# Allegro board RK_EVB7_RK3588_LP4XD200P232SD8_V11_20230111YWQ.brd (continued)
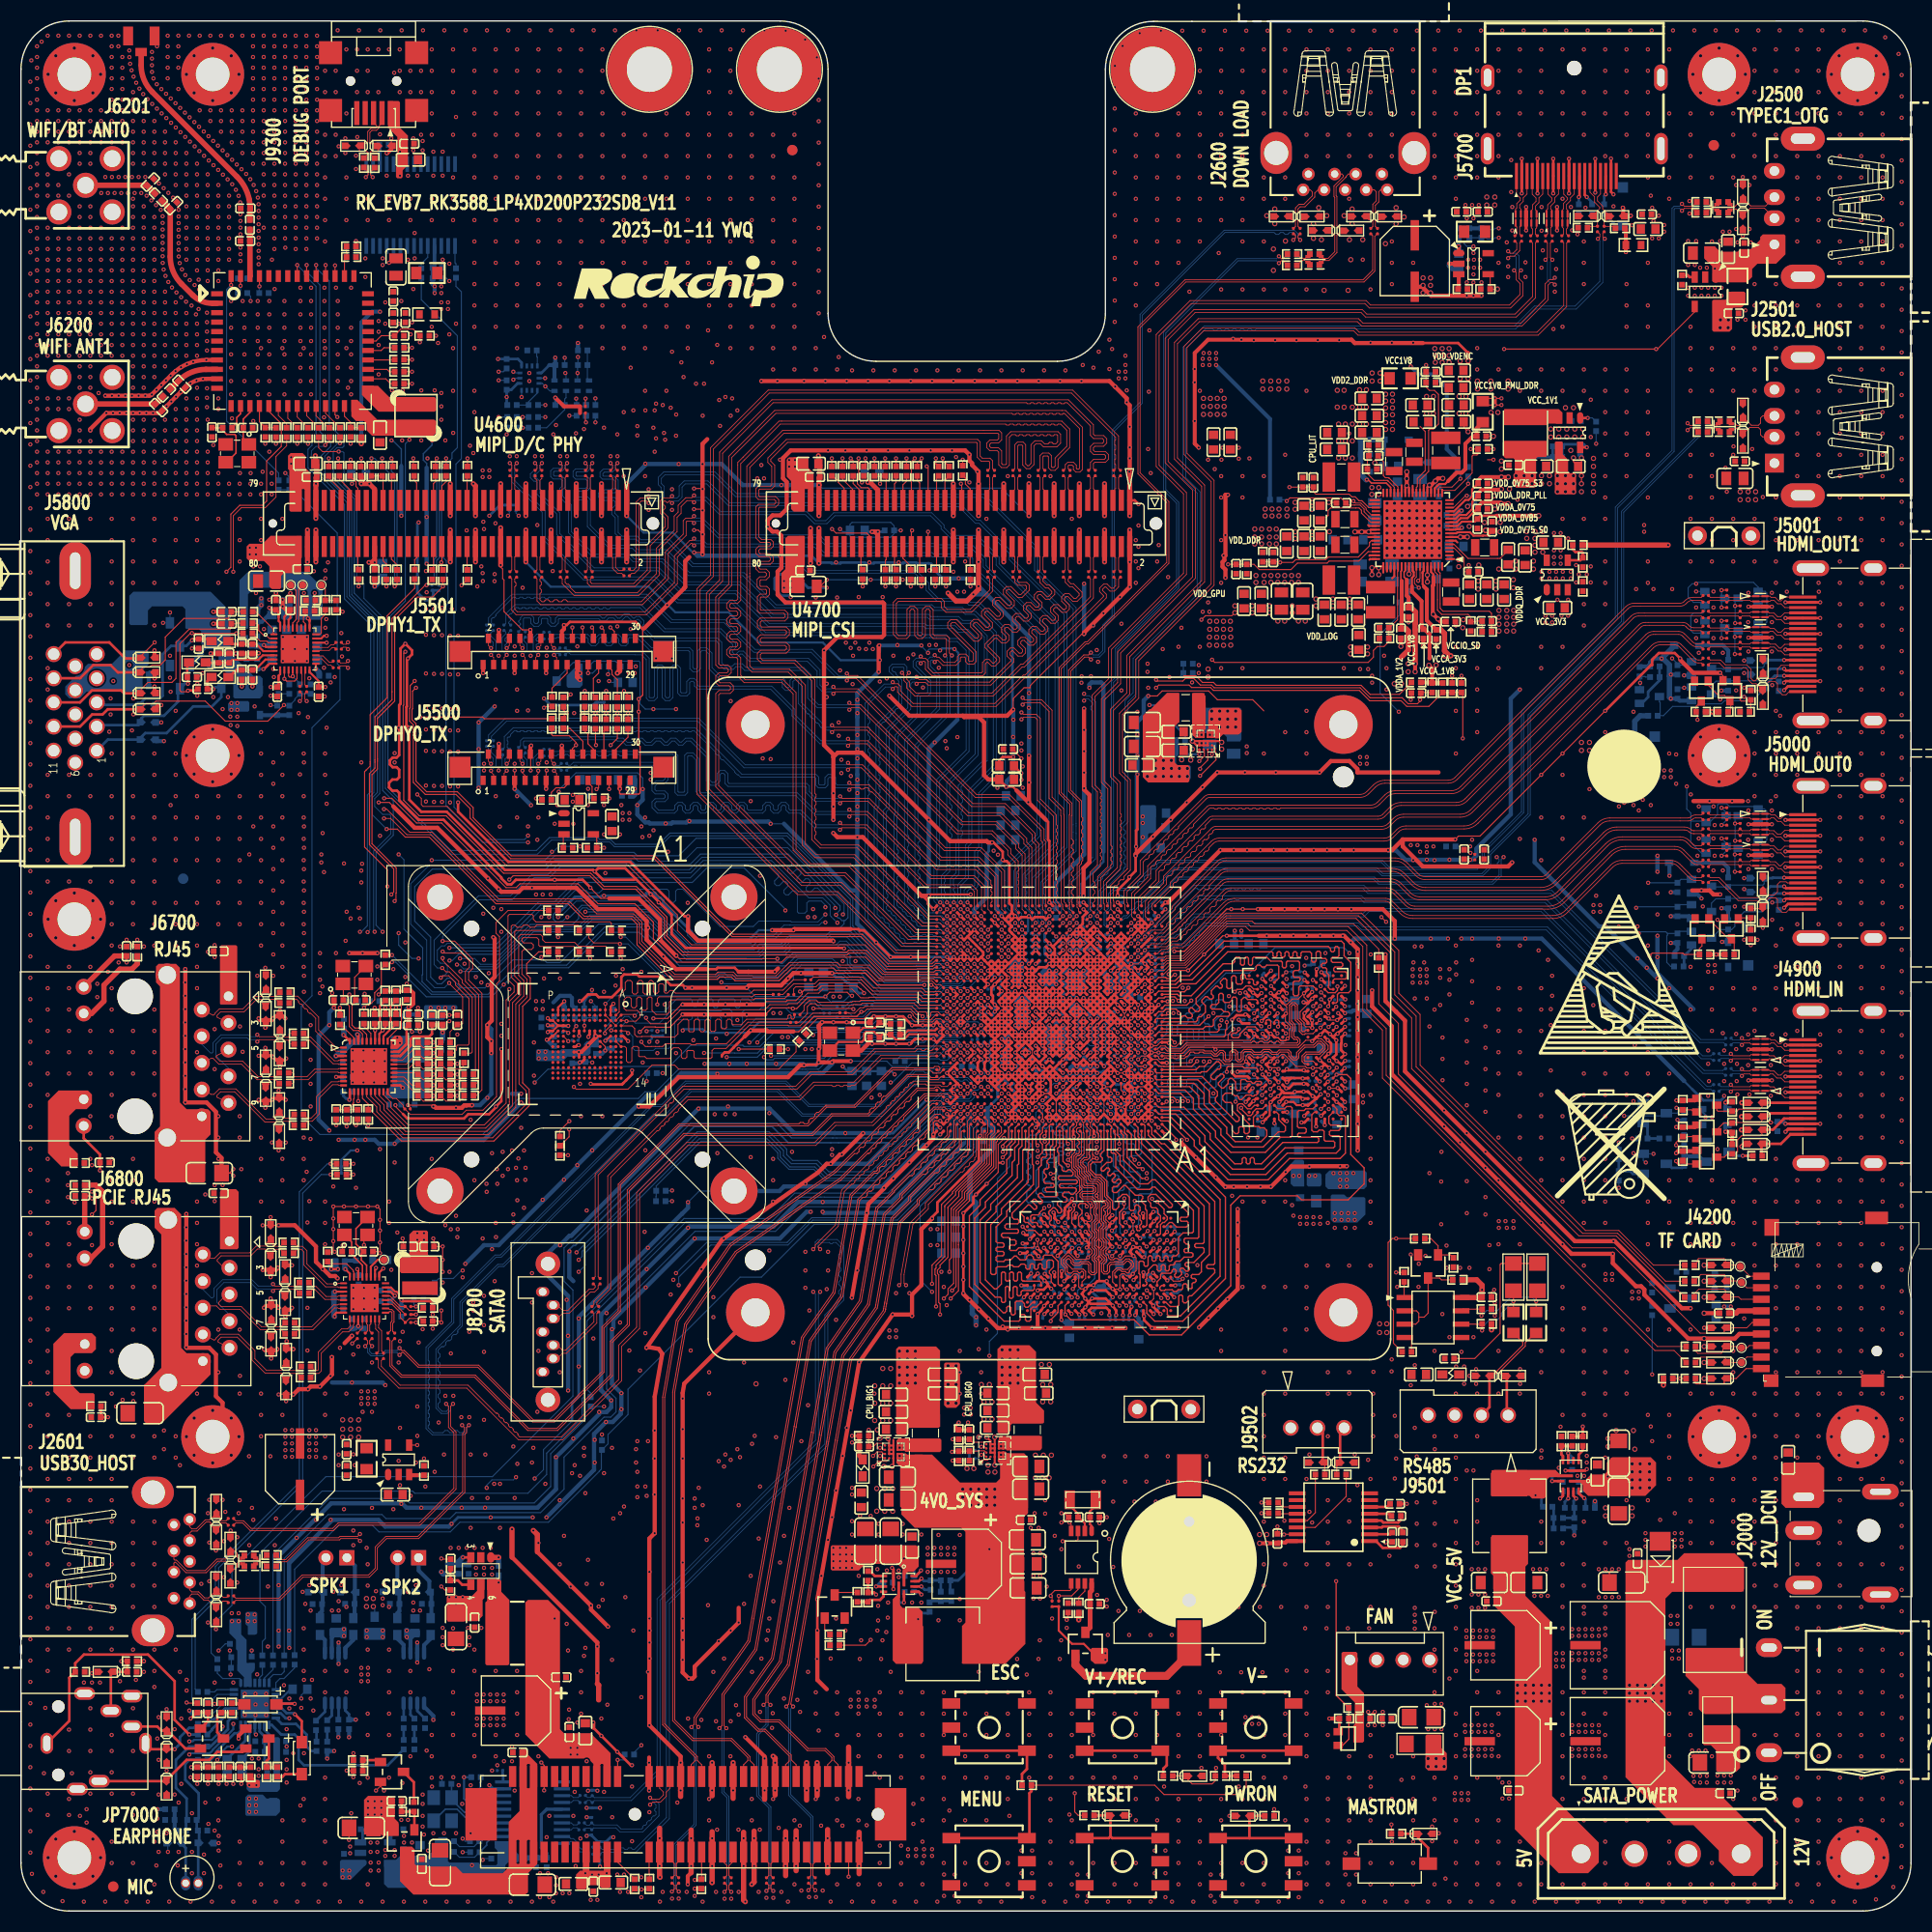
[diagram p0: board, top side]
## Copper pours and planes (outline as drawn; the poured copper is in the pictures) (continued)
VCC_2V0_PLDO_S3 on TOP: 121.44,132.88 124.36,132.88 124.87,133.39 125.5,133.39 125.63,133.26 125.63,131.74 120.17,131.74 119.66,132.25 118.39,132.25 118.01,132.63 118.01,133.64 118.26,133.9 120.68,133.9 120.93,133.64 120.93,133.39
VCC_2V0_PLDO_S3 on L6-S2: 125.06,126.34 122.33,129.07 119.28,129.07 118.14,130.22 118.14,133.9 118.26,134.03 121.06,134.03 122.2,132.88 124.99,132.88 129.18,128.69 129.82,128.69 129.95,128.56 132.23,128.56 132.49,128.31 132.49,126.79 132.04,126.34
VCC_3V3_S0 on BOTTOM (solid shape): 30.25,61.38 30.38,61.25 30.38,61 30.25,60.87 29.36,60.87 29.24,61 29.24,62.02 29.36,62.14 30.25,62.14
VCC_3V3_S0 on BOTTOM (solid shape): 41.55,86.15 41.55,85.89 41.43,85.77 40.67,85.77 40.41,85.51 40.41,85 40.28,84.88 38.51,84.88 38.38,85 38.38,86.15 38.51,86.27 41.43,86.27
VCC_3V3_S0 on TOP: 146.08,124.63 145.69,125.01 145.69,126.28 145.57,126.41 145.06,126.41 144.93,126.28 144.93,125.14 144.42,124.63 144.42,122.72 144.68,122.47 145.95,122.47 146.08,122.6
VCC_3V3_S0 on TOP: 117.63,36.11 117.63,34.84 117.75,34.71 122.07,34.71 122.45,35.09 122.45,35.47 120.17,35.47 120.04,35.35 119.02,35.35 119.02,35.98 118.77,36.24 117.75,36.24
VCC_3V3_S0 on BOTTOM: 159.66,76.75 161.32,76.75 161.44,76.62 161.44,75.48 161.32,75.35 159.66,75.35 159.54,75.48 159.54,76.62
VCC_3V3_S0 on L3-POWER1: 118.45,36.43 119.66,35.22 119.66,17.57 119.28,17.19 112.42,17.19 111.4,18.2 111.4,44.74 121.56,54.9 125.63,54.9 127.28,56.56 130.2,56.56 130.64,56.11 130.64,54.9 127.41,51.67 127.41,51.6 127.15,51.35 127.15,44.24 123.02,40.11 117.06,40.11 116.74,39.79 116.74,36.74 117.06,36.43
VCC_3V3_S0 on L3-POWER1: 91.66,90.02 91.59,90.08 91.59,97.32 89.69,99.23 89.69,101.13 83.85,106.97 83.85,120.06 85.12,121.33 87.02,121.33 88.04,120.31 88.04,117.52 87.53,117.01 87.53,106.21 91.34,102.4 91.34,100.88 93.24,98.97 93.24,89.58 92.99,89.32 92.99,88.81 92.86,88.69 92.48,88.69 92.1,89.07 91.78,89.07 91.66,89.19
VCC_3V3_S0 on L3-POWER1: 28.47,61.64 30.51,61.64 30.76,61.38 30.76,60.75 30,59.98 30,59.73 29.87,59.6 29.87,56.81 31.14,55.54 31.14,50.08 31.39,49.82 31.39,44.62 32.03,43.98 32.03,32.81 31.39,32.17 31.39,27.09 33.43,25.06 33.43,21.76 32.92,21.25 26.31,21.25 25.04,22.52 25.04,28.11 25.81,28.87 25.81,40.93 24.41,42.33 24.41,46.4 28.09,50.08 28.09,61.25
VCC_3V3_S0 on L3-POWER1: 157.51,80.05 157.51,77.26 157.38,77.13 157.38,72.05 157.82,71.61 157.82,69.45 153.19,64.81 153.19,58.08 153.57,57.7 158.27,57.7 159.41,58.84 159.41,63.03 162.08,65.7 162.08,73.19 161.44,73.83 161.44,86.4 160.05,87.8 160.05,96.81 159.28,97.58 159.28,106.97 158.9,107.36 158.9,119.04 158.27,119.67 156.11,119.67 155.47,119.04 155.47,118.91 154.46,117.9 154.46,106.47 155.09,105.83 155.09,95.42 154.71,95.04 154.71,82.84
VCC_3V3_S0 on L4-GND2: 21.81,59.67 21.23,60.24 21.23,112.82 22.63,114.21 22.63,125.26 26.06,125.26 26.7,125.9 26.7,132.12 32.66,138.09 32.66,140.38 36.22,143.93 36.22,148.5 37.62,149.9 39.78,149.9 40.28,149.39 40.28,148.38 39.14,147.23 39.14,140.88 28.85,130.6 28.85,118.53 35.97,111.42 35.97,91.99 37.36,90.59 40.28,90.59 41.68,89.19 41.68,84.24 38.63,81.19 33.43,81.19 31.27,79.03 31.27,60.37 30.57,59.67
VCC_3V3_S0 on L6-S2: 31.78,23.66 31.78,20.61 33.05,19.34 51.59,19.34 51.84,19.6 52.86,19.6 53.11,19.34 59.21,19.34 60.99,17.57 70.64,17.57 72.67,15.53 79.53,15.53 79.91,15.15 118.14,15.15 118.52,15.53 118.52,18.84 118.26,19.09 98.2,19.09 95.02,22.27 54.51,22.27 52.86,23.92 32.03,23.92
VCC_3V3_S0 on L6-S2: 92.48,89.19 92.86,89.19 93.24,88.81 93.24,86.78 92.48,86.02 91.85,86.02 91.72,86.15 91.72,86.78 92.23,87.29 92.23,88.94
VCC_3V3_S0 on L6-S2: 87.53,119.8 107.85,119.8 108.93,118.72 110.13,118.72 110.58,118.28 112.61,118.28 113.06,118.72 122.39,118.72 122.96,119.29 138.96,119.29 143.54,114.72 154.84,114.72 154.9,114.66 156.68,114.66 157.44,115.42 157.44,121.52 155.09,123.87 143.15,123.87 142.39,123.1 142.39,122.09 141.76,121.45 118.77,121.45 117.75,122.47 115.72,122.47 115.34,122.85 87.53,122.85 86.13,121.45 86.13,120.31 86.26,120.18 87.15,120.18
VCC_3V3_S0 on L6-S2: 153.44,54.78 128.93,54.78 127.66,56.05 127.66,57.32 130.26,59.92 154.27,59.92 154.46,59.73 154.46,55.79
VCC_3V3_S3 on TOP (solid shape): 103.53,24.93 103.53,23.79 103.28,23.54 102.26,23.54 101.88,23.92 101.88,24.93 102.01,25.06 103.4,25.06
VCC_3V3_S3 on BOTTOM (solid shape): 55.04,83.35 55.04,82.26 54.31,82.26 54.26,82.21 54.26,81.7 54.04,81.49 53.31,81.49 53.18,81.36 52.04,81.36 51.62,80.94 49.17,80.94 49.05,81.07 49.05,81.96 49.17,82.08 50.19,82.08 50.32,81.95 51.33,81.95 51.46,82.08 53.37,82.08 53.62,82.34 53.62,82.59 53.88,82.85 54.26,82.85 54.44,83.03 54.44,83.39 54.57,83.52 54.87,83.52
VCC_3V3_S3 on TOP: 54,104.18 54.38,103.8 56.79,103.8 56.92,103.67 57.94,103.67 58.19,103.93 58.19,104.69 57.94,104.94 54.13,104.94 54,104.82
VCC_3V3_S3 on TOP: 139.98,129.07 139.85,129.2 139.85,130.72 141.88,130.72 142.9,131.74 145.19,131.74 145.44,131.49 145.44,129.45 145.63,129.26 145.63,128.12 145.57,128.06 145.06,128.06 144.81,128.31 144.81,128.56 144.3,129.07
VCC_3V3_S3 on TOP: 39.14,156.63 39.14,155.11 38.89,154.85 38.89,153.96 39.01,153.84 40.28,153.84 40.41,153.96 40.41,156.38 40.16,156.63
VCC_3V3_S3 on BOTTOM: 158.01,61.13 158.01,60.37 157.63,59.98 157.63,58.84 156.36,58.84 156.24,58.97 156.24,59.22 155.98,59.48 150.65,59.48 150.52,59.6 150.52,61.06 150.65,61.19 155.03,61.19 155.09,61.25 157.89,61.25
VCC_3V3_S3 on L3-POWER1: 146.33,22.01 152.04,22.01 153.82,23.79 153.82,55.79 152.17,57.44 152.17,76.11 152.43,76.37 152.43,105.7 153.19,106.47 153.19,118.15 155.47,120.44 155.47,132.12 154.97,132.63 153.95,132.63 153.57,132.25 153.57,130.09 151.79,128.31 151.79,128.06 150.52,126.79 150.52,96.31 150.77,96.05 150.77,78.02 150.14,77.38 150.14,55.54 151.41,54.27 151.41,30.14 145.69,24.42 145.69,22.65
VCC_3V3_S3 on L3-POWER1: 74.83,83.73 81.81,83.73 82.45,83.1 85.62,83.1 86.13,82.59 91.59,82.59 91.72,82.46 91.72,81.45 91.47,81.19 79.78,81.19 79.65,81.32 74.7,81.32 74.49,81.54 74.49,83.39 ; 1 cut-out
VCC_3V3_S3 on L3-POWER1: 106.32,143.8 102.01,139.49 82.07,139.49 81.94,139.36 81.94,130.85 81.69,130.6 75.21,130.6 74.38,131.42 74.38,139.42 66.19,147.61 66.19,151.04 63.4,153.84 39.14,153.84 38.89,154.09 38.89,159.43 41.3,161.84 63.91,161.84 74.96,150.79 74.96,148.76 78.77,144.95 102.13,144.95 104.67,147.49 105.44,147.49 106.32,146.6
VCC_3V3_S3 on L4-GND2: 48.67,98.85 43.97,103.55 43.97,115.86 32.79,127.04 32.79,128.56 34.7,130.47 42.95,130.47 46.89,134.41 46.89,147.61 45.87,148.63 41.3,148.63 39.01,150.92 39.01,154.98 42.32,158.28 56.03,158.28 59.08,155.23 59.08,130.47 51.21,122.6 51.21,106.09 51.46,105.83 57.18,105.83 58.32,104.69 58.32,102.66 56.54,100.88 56.54,81.83 55.27,80.56 49.05,80.56 48.67,80.94
VCC_3V3_S3 on L6-S2: 103.53,22.52 146.96,22.52 147.22,22.77 147.22,25.69 145.44,27.47 136.17,27.47 135.15,26.46 104.67,26.46 102.9,24.68 102.9,23.15
VCC_3V3_S3 on L6-S2: 104.29,146.73 104.29,145.84 104.93,145.2 109.37,145.2 110.52,146.34 145.82,146.34 148.36,143.8 148.36,143.68 150.39,141.65 150.39,135.17 148.62,133.39 146.2,133.39 144.55,131.74 143.28,131.74 143.15,131.61 143.15,129.45 143.66,128.95 144.55,128.95 145.44,128.06 147.22,128.06 148.11,128.95 154.33,128.95 155.09,129.71 155.09,149.39 153.19,151.3 108.86,151.3
VCC_3V3_S3 on L6-S2: 48.79,81.96 48.79,80.56 50.06,79.29 72.8,79.29 74.45,80.94 74.96,80.94 75.59,81.57 75.59,82.46 73.94,82.46 72.67,81.19 66.57,81.19 66.07,81.7 63.4,81.7 63.02,81.32 61.49,81.32 61.11,81.7 57.18,81.7 56.03,80.56 51.46,80.56 49.81,82.21 49.05,82.21
VCC_5V0 on TOP (solid shape): 143.54,35.73 143.54,33.06 143.28,32.81 143.28,30.01 145.82,27.47 145.82,10.96 150.27,6.52 150.27,4.61 149.25,3.6 146.46,3.6 142.27,7.79 142.27,27.09 140.23,29.12 140.23,31.92 139.98,32.17 139.98,35.6 140.16,35.79 143.48,35.79
VCC_5V0 on TOP (solid shape): 164.24,154.09 164.24,153.08 163.86,152.69 163.09,152.69 162.97,152.57 162.97,150.66 162.71,150.41 161.19,150.41 161.06,150.54 161.06,153.33 161.19,153.46 162.33,153.46 162.46,153.58 162.46,154.09 162.59,154.22 164.11,154.22
VCC_5V0 on TOP (solid shape): 27.08,138.6 27.08,137.45 27.58,136.95 27.58,133.39 27.46,133.26 27.08,133.26 27.03,133.31 27.03,135.34 26.95,135.42 26.78,135.42 26.73,135.37 26.73,133.3 26.7,133.26 25.68,133.26 25.55,133.39 25.55,137.2 25.43,137.33 25.43,138.6 25.68,138.85 26.82,138.85
VCC_5V0 on TOP (solid shape): 74.99,138.34 74.99,137.45 75.5,136.95 75.5,133.39 75.37,133.26 74.96,133.26 74.94,133.28 74.94,135.42 74.64,135.42 74.64,133.33 74.57,133.26 73.59,133.26 73.34,133.52 73.34,136.18 72.92,136.6 72.92,138.22 73.16,138.45 73.57,138.45 73.59,138.47 74.86,138.47
VCC_5V0 on BOTTOM (solid shape): 21.74,115.1 21.74,114.34 21.62,114.21 19.84,114.21 19.71,114.34 19.71,114.98 19.96,115.23 21.62,115.23
VCC_5V0 on BOTTOM (solid shape): 58.7,107.86 58.7,106.21 58.45,105.96 57.81,105.96 57.81,106.55 57.77,106.59 57.68,106.59 57.56,106.72 57.56,107.1 57.68,107.23 57.68,107.86 57.81,107.99 58.57,107.99
VCC_5V0 on TOP: 139.34,161.46 139.34,163.36 139.47,163.49 140.49,163.49 140.61,163.36 140.61,161.08 140.3,160.76 140.3,157.58 140.23,157.52 139.22,157.52 138.84,157.9 138.84,160.95
VCC_5V0 on TOP: 57.3,110.68 58.7,110.68 58.77,110.61 58.77,106.81 58.57,106.62 57.81,106.62 57.79,106.59 57.68,106.59 57.56,106.72 57.56,107.1 57.68,107.23 57.68,108.52 57.25,108.96 57.25,110.63
VCC_5V0 on TOP: 129.18,17.57 129.18,19.09 129.06,19.22 128.17,19.22 128.04,19.09 128.04,18.96 128.17,18.84 128.17,17.95 128.04,17.82 128.04,17.57 128.17,17.44 129.06,17.44
VCC_5V0 on TOP: 34.44,43.73 35.2,43.73 35.46,43.98 35.46,46.52 34.95,47.03 30.51,47.03 30.38,46.9 30.38,44.36 30.63,44.11 31.9,44.11 32.16,43.86 32.16,43.6 32.28,43.47 34.19,43.47
VCC_5V0 on TOP: 57.3,121.71 58.7,121.71 58.77,121.64 58.77,117.84 58.57,117.64 57.81,117.64 57.68,117.77 57.68,119.55 57.25,119.98 57.25,121.65
VCC_5V0 on BOTTOM: 32.66,29.89 32.66,27.73 32.92,27.47 34.06,27.47 34.19,27.6 34.19,28.49 33.81,28.87 33.81,29.89 33.68,30.01 32.79,30.01
VCC_5V0 on BOTTOM: 153.31,109.64 153.31,107.99 153.7,107.61 157.25,107.61 157.51,107.86 157.51,108.75 157.38,108.88 154.58,108.88 154.08,109.39 154.08,109.64 153.95,109.77 153.44,109.77
VCC_5V0 on BOTTOM: 58.83,118.53 58.83,116.75 58.57,116.5 57.81,116.5 57.68,116.63 57.68,118.79 58.57,118.79
VCC_5V0 on BOTTOM: 160.43,90.21 160.55,90.34 163.22,90.34 163.47,90.59 165.13,90.59 165.38,90.34 165.38,89.32 165.25,89.19 160.55,89.19 160.43,89.32
VCC_5V0 on L4-GND2: 121.56,20.74 49.81,20.74 44.86,25.69 44.86,28.36 42.32,30.9 40.03,30.9 36.35,27.22 27.71,27.22 26.82,28.11 26.82,43.86 30.38,47.41 44.6,47.41 45.11,46.9 51.21,46.9 56.92,52.62 56.92,100.75 58.7,102.53 58.7,104.56 57.3,105.96 55.65,105.96 55.02,106.59 55.02,126.02 59.33,130.34 59.33,155.62 56.29,158.66 42.32,158.66 38.25,154.6 38.25,151.04 35.97,148.76 35.97,144.31 32.41,140.76 32.41,138.09 26.44,132.12 26.44,126.02 25.68,125.26 22.5,125.26 22.5,114.47 22.12,114.09 19.71,114.09 19.2,114.59 19.2,126.28 19.39,126.47 19.39,127.61 20.09,128.31 21.23,128.31 22.89,129.96 22.89,131.99 22.5,132.37 22.5,137.33 27.27,142.09 27.27,155.93 37.49,166.16 65.56,166.16 74.19,157.52 74.19,132.5 63.65,121.96 63.65,100.18 63.53,100.05 63.53,32.3 65.56,30.27 106.71,30.27 116.48,40.05 130.71,40.05 151.54,60.87 151.54,106.59 156.24,111.29 156.24,111.42 158.01,113.2 158.01,158.54 154.84,161.71 139.98,161.71 139.34,162.35 139.34,164.12 141.5,166.28 160.43,166.28 166.46,160.25 166.46,146.22 165.76,145.52 165.76,143.93 166.27,143.42 166.27,108.12 164.36,106.21 160.17,106.21 158.78,104.82 158.78,98.08 161.7,95.16 161.7,48.94 155.85,43.09 151.54,43.09 150.39,41.95 150.39,23.15 145.57,18.33 129.95,18.33 129.06,17.44 124.87,17.44 ; 1 cut-out
VCCA1V8_CODEC on BOTTOM (solid shape): 20.98,27.73 20.98,26.33 21.49,25.82 21.49,23.66 21.53,23.63 21.66,23.62 22.25,23.62 22.25,22.9 21.97,22.62 21.97,21.38 21.23,21.38 21.23,22.27 20.6,22.9 20.6,24.81 20.47,24.93 20.47,25.82 19.84,26.46 19.84,27.73 19.96,27.85 20.85,27.85
VCCA3V3_CODEC on TOP (solid shape): 22.12,12.74 22.38,12.49 22.63,12.49 22.76,12.36 22.76,11.85 22.63,11.72 21.74,11.72 21.49,11.98 21.49,13.12 22.12,13.12
VCCA3V3_CODEC on BOTTOM (solid shape): 24.66,16.42 24.66,11.6 24.41,11.34 21.74,11.34 21.49,11.6 21.49,12.11 21.87,12.49 23.14,12.49 23.27,12.61 23.9,12.61 24.03,12.74 24.03,16.42 24.16,16.55 24.54,16.55
VCCA_1V8_S0 on BOTTOM (solid shape): 102.96,91.8 102.96,91.54 102.89,91.47 102.85,91.48 102.81,91.48 102.76,91.48 102.71,91.47 102.25,91.47 102.14,91.48 102.03,91.45 102.02,91.45 101.99,91.43 101.95,91.39 101.92,91.35 101.75,91.35 101.72,91.39 101.66,91.45 101.62,91.45 101.43,91.46 101.27,91.35 101.1,91.35 100.86,91.47 100.62,91.35 100.47,91.35 100.23,91.47 99.99,91.35 99.77,91.35 99.72,91.4 99.72,91.55 99.75,91.6 99.76,91.65 99.87,91.76 101.5,91.76 101.55,91.8 101.82,91.8 101.87,91.8 101.91,91.8 102.33,91.8 102.37,91.85 102.51,91.83 102.64,91.86 102.9,91.86
VCCA_1V8_S0 on TOP: 134.52,119.8 134.77,119.55 134.77,119.04 135.03,118.79 135.03,118.4 135.79,117.64 135.79,116.75 135.66,116.63 133.12,116.63 132.99,116.75 132.99,117.39 133.76,118.15 133.76,119.67 133.88,119.8
VCCA_1V8_S0 on BOTTOM: 135.53,118.91 135.92,118.53 135.92,117.01 136.04,116.88 136.04,100.88 135.79,100.62 133.12,100.62 132.99,100.75 132.99,101.01 133.12,101.13 133.25,101.13 133.76,101.64 133.76,118.79 133.88,118.91
VCCA_1V8_S0 on L3-POWER1: 92.67,78.08 92.23,78.53 92.23,79.16 92.1,79.29 92.1,79.67 91.85,79.92 91.85,81.83 91.97,81.96 92.23,81.96 92.48,82.21 94.13,82.21 94.13,80.3 94.01,80.18 94.01,79.03 94.26,78.78 94.26,78.4 93.94,78.08
VCCA_1V8_S0 on L6-S2: 98.7,80.81 99.59,81.7 100.23,81.7 101.12,82.59 101.24,82.59 101.24,86.15 100.99,86.4 97.94,86.4 97.56,86.02 97.56,85.64 98.2,85 98.2,84.11 96.67,82.59 94.64,82.59 93.37,81.32 91.85,81.32 91.85,84.11 91.59,84.37 91.59,85.89 92.86,87.16 93.24,87.16 93.5,87.42 93.5,89.58 95.91,91.99 97.82,91.99 98.45,92.62 98.45,97.2 103.66,102.4 114.45,102.4 114.52,102.34 128.36,102.34 129.69,101.01 132.99,101.01 133.76,101.77 134.65,101.77 134.9,101.51 134.9,99.99 134.01,99.1 127.79,99.1 127.28,99.61 105.94,99.61 102.13,95.8 102.13,92.24 101.88,91.99 101.88,91.35 101.75,91.23 101.75,87.29 102.51,86.53 102.77,86.53 102.77,86.15 103.02,85.89 103.02,82.84 102.39,82.21 102.39,81.32 101.5,80.43 100.74,80.43 99.85,79.54 98.96,79.54 98.7,79.8
VCCA_3V3_S0 on BOTTOM (solid shape): 23.39,10.71 24.54,10.71 24.66,10.58 24.66,9.44 24.28,9.06 21.49,9.06 21.36,9.18 21.36,10.84 21.62,11.09 23.01,11.09
VCCA_3V3_S0 on L3-POWER1: 147.73,49.19 147.6,49.06 147.6,39.92 147.73,39.79 147.73,38.65 147.6,38.52 147.6,31.03 140.74,24.17 140.74,23.66 140.36,23.28 139.85,23.28 137.31,20.74 137.31,18.84 135.92,17.44 135.92,10.45 136.55,9.82 138.07,9.82 142.14,13.88 142.14,21.5 151.16,30.52 151.16,54.14 150.01,55.29 150.01,77.64 150.65,78.27 150.65,96.05 150.52,96.18 149.12,96.18 147.73,94.78
VCCA_3V3_S0 on L3-POWER1: 101.75,100.88 101.75,108.63 106.58,113.45 109.5,113.45 110.52,114.47 110.64,114.47 112.67,116.5 112.67,118.66 112.93,118.91 113.82,118.91 114.07,118.66 114.07,115.36 111.66,112.94 111.66,112.56 109.31,110.21 105.37,110.21 103.28,108.12 103.28,95.8 103.15,95.67 103.15,92.88 102.77,92.5 102.26,92.5 102.13,92.62 102.13,93 102.64,93.51 102.64,95.29 102.26,95.67 102.26,100.37
VCCA_3V3_S0 on L6-S2: 106.32,89.32 106.07,89.58 106.07,90.34 111.79,96.05 150.65,96.05 150.77,95.93 150.77,94.27 150.39,93.89 112.55,93.89 108.61,89.96 106.96,89.96 106.58,89.58 106.58,89.45 106.45,89.32
VCCA_3V3_S0 on L6-S2: 45.81,8.74 49.94,12.87 53.87,12.87 54.89,11.85 60.1,11.85 63.4,8.55 91.08,8.55 94.26,5.37 125.12,5.37 125.76,6.01 137.57,6.01 138.71,7.15 138.71,11.47 138.2,11.98 133.63,11.98 133.06,11.41 101.82,11.41 100.61,10.2 99.97,10.2 96.93,13.25 67.72,13.25 65.18,15.79 60.1,15.79 58.57,17.31 42.32,17.31 39.01,14.01 22.25,14.01 21.36,13.12 21.36,9.31 21.93,8.74
VCCIO_PHY0 on L6-S2: 32.66,74.34 34.57,74.34 35.71,75.48 41.43,75.48 42.32,76.37 42.32,82.21 40.41,84.11 40.03,84.11 39.9,83.99 39.9,79.54 38.76,78.4 37.49,78.4 36.47,77.38 34.32,77.38 32.54,75.61 32.54,74.46
VCCIO_SD_S0 on L3-POWER1: 123.22,125.14 123.22,118.28 122.07,117.13 121.95,117.13 121.56,116.75 121.56,109.51 114.07,102.02 114.07,99.1 110.77,95.8 110.77,88.43 108.86,86.53 104.55,86.53 103.91,85.89 103.91,84.37 104.04,84.37 104.17,84.24 111.79,84.24 113.18,85.64 113.18,92.62 124.49,103.93 124.49,108.5 127.03,111.04 127.03,118.4 129.57,120.94 133.25,120.94 135.41,123.1 135.41,124.88 134.9,125.39 123.47,125.39
VCCIO_WL on TOP: 32.41,152.44 32.54,152.57 38.25,152.57 38.38,152.44 38.38,151.68 38.25,151.55 37.49,151.55 37.11,151.93 32.54,151.93 32.41,152.06
VDD2_DDR_S3 on BOTTOM (solid shape): 128.17,70.32 128.17,69 127.91,68.75 126.77,68.75 124.49,68.75 124.23,69 124.23,70.14 124.61,70.53 127.96,70.53
VDD2_DDR_S3 on TOP: 129.95,138.47 131.47,138.47 131.6,138.6 131.6,143.93 130.71,144.82 128.93,144.82 128.68,144.57 128.68,140.38 128.93,140.12 128.93,138.34 129.82,138.34
VDD2_DDR_S3 on L4-GND2: 109.69,68.3 113.18,64.81 123.98,64.81 124.23,65.06 124.23,69.51 114.58,79.16 114.58,88.18 120.93,94.53 120.93,95.8 120.68,96.05 120.68,104.05 124.61,107.99 124.61,108.5 125.76,109.64 125.88,109.64 134.65,118.4 134.65,127.93 135.53,128.82 135.53,134.28 135.15,134.66 131.6,134.66 129.31,136.95 129.31,144.69 129.44,144.82 137.95,144.82 138.14,144.63 141.06,144.63 142.07,143.61 142.07,126.22 139.92,124.06 139.92,110.72 131.34,102.15 131.34,62.91 124.74,56.3 98.2,56.3 94.89,59.6 94.89,63.92 99.28,68.3 ; 7 cut-outs
VDD10_PHY0 on BOTTOM (solid shape): 38.89,79.92 38.89,77.64 38.63,77.38 34.82,77.38 34.7,77.51 34.7,78.02 35.33,78.65 35.33,80.05 38.76,80.05
VDD10_PHY0 on L6-S2: 31.27,78.78 31.52,78.53 34.95,78.53 35.46,79.03 36.47,79.03 36.73,78.78 36.73,78.02 36.35,77.64 30.38,77.64 29.36,78.65 29.36,81.45 31.78,83.86 32.41,83.86 32.66,83.61 32.66,82.59 31.27,81.19
VDD10_PHY1 on TOP (solid shape): 38.76,64.68 38.76,62.52 38.89,62.4 39.52,62.4 39.78,62.14 39.78,60.87 39.65,60.75 36.22,60.75 36.09,60.87 36.09,62.14 36.22,62.27 36.6,62.27 36.98,62.65 36.98,64.43 37.36,64.81 38.63,64.81
VDD10_PHY1 on BOTTOM: 36.35,61.51 38.76,63.92 38.76,64.56 38.38,64.94 37.49,64.94 37.05,64.49 37.05,64.11 35.97,63.03 35.2,63.03 34.57,62.4 34.57,61.64 34.7,61.51
VDD10_RTL on BOTTOM: 32.54,60.24 33.81,61.51 33.81,62.4 32.66,62.4 30.63,60.37 30.63,60.11 30.38,59.86 29.62,59.86 29.24,59.48 29.24,56.56 29.49,56.3 29.87,56.3 30,56.43 30,56.56 30.12,56.68 30.12,58.84 30.25,58.97 30.89,58.97 31.27,59.35 31.27,59.98 31.52,60.24
VDD10_RTL on L6-S2: 29.49,59.1 29.49,56.56 29.74,56.3 30.12,56.3 31.52,57.7 35.46,57.7 35.84,58.08 35.84,59.1 35.59,59.35 34.06,59.35 33.93,59.22 29.62,59.22
VDD_0V75_S0 on L3-POWER1: 95.15,84.5 94.77,84.88 94.77,85.26 93.24,86.78 93.24,87.8 93.5,87.8 94.01,88.31 94.01,90.21 94.51,90.72 94.51,92.62 94.01,93.13 94.01,95.04 93.5,95.54 93.5,102.66 89.05,107.1 89.05,117.01 89.81,117.77 89.81,123.61 88.93,124.5 88.93,125.9 89.18,126.15 90.07,126.15 90.32,125.9 90.96,125.9 91.47,125.39 91.47,115.48 91.08,115.1 91.08,107.61 96.29,102.4 96.29,91.99 96.55,91.73 96.93,91.73 97.18,91.48 97.18,85 96.67,84.5
VDD_0V75_S0 on L3-POWER1: 131.98,91.73 132.36,91.35 133.76,91.35 136.04,93.64 136.04,103.04 137.31,104.31 137.31,110.78 137.44,110.91 137.44,119.8 138.84,121.2 138.84,123.74 140.74,125.64 140.74,129.83 141.12,130.22 141.12,131.61 141,131.74 138.84,131.74 138.2,131.1 138.2,128.06 135.79,125.64 135.79,122.98 133.88,121.07 133.88,107.1 131.98,105.2
VDD_0V75_S0 on L6-S2: 90.58,55.03 92.1,53.51 112.67,53.51 115.6,56.43 115.6,65.83 116.87,67.1 128.68,67.1 130.07,68.49 130.07,89.7 131.22,90.85 133.12,90.85 133.76,91.48 133.76,92.12 132.23,93.64 128.42,93.64 127.79,93 127.79,71.41 126.77,70.4 115.47,70.4 113.69,68.62 113.69,58.33 110.52,55.16 96.16,55.16 93.75,57.57 90.83,57.57 90.58,57.32
VDD_0V75_S0 on L6-S2: 107.85,89.83 107.09,89.83 105.44,88.18 105.44,87.29 105.31,87.16 104.8,87.16 104.67,87.29 104.67,88.94 103.78,89.83 103.66,89.7 103.66,89.45 104.04,89.07 104.04,87.29 103.91,87.16 103.15,87.16 102.9,87.42 102.9,91.99 102.64,92.24 102.51,92.24 102.13,91.86 102.13,87.04 102.51,86.65 105.56,86.65 105.82,86.91 105.82,87.67 107.21,89.07 107.59,89.07 107.85,89.32
VDD_0V75_S0 on L6-S2: 140.36,127.8 136.17,123.61 136.04,123.61 135.79,123.36 122.83,123.36 121.44,124.75 119.79,124.75 119.28,125.26 111.66,125.26 109.37,122.98 88.93,122.98 87.91,123.99 87.91,125.77 88.16,126.02 90.2,126.02 90.45,125.77 106.45,125.77 110.26,129.58 118.14,129.58 119.15,128.56 122.33,128.56 124.87,126.02 132.61,126.02 135.53,128.95 135.53,130.09 136.8,131.36 138.2,131.36 138.58,131.74 141.12,131.74 141.12,130.22 140.36,129.45
VDD_0V75_S3 on TOP: 140.49,136.95 141.76,136.95 141.88,136.82 141.88,136.44 141.76,136.31 140.36,136.31 140.23,136.44 140.23,136.69
VDD_0V75_S3 on L3-POWER1: 91.97,82.21 91.85,82.34 91.85,82.59 91.59,82.84 86.13,82.84 85.24,83.73 82.96,83.73 82.32,84.37 74.32,84.37 73.3,85.38 73.3,85.89 72.67,86.53 72.16,86.53 71.91,86.78 71.53,86.78 67.59,90.72 65.56,90.72 63.78,92.5 63.78,114.98 63.65,115.1 63.65,138.47 63.08,139.04 63.08,145.14 63.78,145.84 65.3,145.84 65.81,145.33 65.81,140.25 66.07,139.99 66.07,105.83 70.89,101.01 70.89,93 73.05,90.85 73.43,90.85 76.35,87.92 83.15,87.92 85.05,86.02 85.88,86.02 88.42,83.48 91.85,83.48 92.35,82.97 92.35,82.34 92.23,82.21
VDD_0V75_S3 on L6-S2: 110.77,145.2 109.75,144.19 103.66,144.19 102.51,145.33 70.38,145.33 69.75,145.96 64.03,145.96 63.78,145.71 63.78,145.2 64.41,144.57 67.72,144.57 69.62,142.66 100.99,142.66 103.91,139.74 138.07,139.74 140.36,137.45 140.36,136.31 141,135.68 142.01,135.68 142.39,136.06 143.54,136.06 143.92,136.44 143.92,144.31 143.15,145.07 137.31,145.07 136.87,145.52 121.5,145.52 120.68,144.69 118.14,144.69 117.63,145.2
VDD_CPU_BIG0_S0 on TOP (solid shape): 96.67,53.25 96.67,48.43 97.43,47.67 97.43,46.52 97.35,46.44 94.43,46.44 94.26,46.27 94.26,45.76 94.01,45.51 93.12,45.51 92.99,45.63 92.99,53.51 93.37,53.89 96.04,53.89
VDD_CPU_BIG0_S0 on BOTTOM (solid shape): 98.14,84.42 98.14,84.04 98.32,83.86 98.96,83.86 99.09,83.99 99.09,84.37 99.21,84.5 99.34,84.5 99.58,84.26 99.59,84.22 99.59,83.84 99.56,83.7 99.59,83.57 99.59,83.19 99.56,83.05 99.59,82.92 99.59,82.59 99.41,82.41 99.41,81.65 99.34,81.57 99.21,81.57 99.09,81.7 99.09,81.98 98.85,82.21 98.32,82.21 98.12,82 98.12,81.67 98.07,81.62 97.9,81.62 97.82,81.7 97.82,82.35 97.56,82.6 97.56,82.87 97.62,83.05 97.56,83.24 97.56,83.35 97.43,83.48 97.31,83.48 97.18,83.61 97.18,83.86 97.31,83.99 97.43,83.99 97.56,84.11 97.56,84.17 97.59,84.23 97.61,84.29 97.82,84.5 98.07,84.5
VDD_CPU_BIG0_S0 on TOP: 88.8,46.78 90.45,46.78 90.7,46.52 90.7,45.63 90.58,45.51 88.8,45.51 88.67,45.63 88.67,46.65
VDD_CPU_BIG0_S0 on BOTTOM: 88.04,66.21 88.04,62.27 87.91,62.14 86.77,62.14 86.39,62.52 86.39,65.06 86.64,65.32 87.02,65.32 87.15,65.45 87.15,66.08 87.27,66.21
VDD_CPU_BIG0_S0 on L4-GND2: 89.69,75.1 89.69,77.38 92.1,79.8 94.51,79.8 95.02,80.3 95.02,80.94 95.4,81.32 95.4,83.1 97.05,84.75 99.34,84.75 99.59,84.5 99.59,81.45 98.7,80.56 98.7,77 99.21,76.49 99.21,74.34 98.7,73.83 98.7,71.03 92.86,65.19 92.86,57.32 95.28,54.9 95.28,48.43 93.12,46.27 87.27,46.27 86.39,47.16 86.39,53.51 81.81,58.08 81.81,67.22
VDD_CPU_BIG0_S0 on L5-POWER2: 93.81,79.61 95.28,81.07 95.28,81.7 95.53,81.96 95.53,83.35 95.66,83.48 96.04,83.48 96.8,84.24 96.8,84.62 96.93,84.75 98.32,84.75 98.45,84.62 99.47,84.62 99.59,84.5 99.59,82.08 99.85,81.83 99.85,80.05 99.59,79.8 99.59,79.67 99.47,79.54 97.94,79.54 94.13,75.73 94.13,74.72 91.47,72.05 91.47,56.43 92.99,54.9 94.89,54.9 95.78,54.02 95.78,48.81 93.12,46.14 88.42,46.14 86,48.55 86,53.63 85.24,54.4 82.19,54.4 80.8,55.79 80.8,73.95 86.45,79.61
VDD_CPU_BIG1_MEM_S0 on TOP: 80.67,41.7 80.67,39.54 80.54,39.41 79.15,39.41 78.89,39.66 78.89,41.7 79.02,41.82 80.54,41.82
VDD_CPU_BIG1_MEM_S0 on L3-POWER1: 80.16,51.35 80.16,39.79 79.53,39.16 75.84,39.16 75.46,39.54 75.46,46.78 71.53,50.71 71.53,57.7 70.76,58.46 70.76,64.18 72.1,65.51 72.1,72.37 73.69,73.95 76.73,73.95 77.5,73.19 77.5,71.92 75.72,70.14 75.72,64.56 74.32,63.16 74.32,58.97 76.48,56.81 76.48,55.03
VDD_CPU_BIG1_MEM_S0 on L6-S2: 86.89,79.42 90.83,79.42 90.96,79.54 90.96,80.94 91.08,81.07 93.5,81.07 93.5,81.19 94.64,82.34 95.91,82.34 96.23,82.02 96.23,81.89 96.29,81.83 96.29,80.43 95.53,79.67 95.53,79.29 94.89,78.65 92.35,78.65 91.72,78.02 91.72,76.75 86.89,76.75 81.18,71.03 77.88,71.03 76.99,71.92 76.99,73.19 77.11,73.32 80.8,73.32
VDD_CPU_BIG1_S0 on TOP (solid shape): 87.53,53.38 87.53,46.14 87.4,46.01 84.61,46.01 84.48,45.89 84.48,45.63 84.23,45.38 83.46,45.38 83.34,45.51 83.34,53.51 83.59,53.76 87.15,53.76
VDD_CPU_BIG1_S0 on TOP: 79.15,45.76 80.04,45.76 80.16,45.63 80.16,43.86 80.54,43.47 80.54,42.71 80.42,42.59 79.27,42.59 78.89,42.97 78.89,45.51
VDD_CPU_BIG1_S0 on BOTTOM: 77.88,80.69 77.88,79.92 78.26,79.54 82.83,79.54 83.08,79.29 83.46,79.29 83.59,79.42 83.59,80.05 83.46,80.18 82.7,80.18 82.32,80.56 78.77,80.56 78.51,80.81 78,80.81
VDD_CPU_BIG1_S0 on L4-GND2: 71.4,80.81 74.19,83.61 94.89,83.61 95.28,83.23 95.28,81.7 95.02,81.45 95.02,80.69 94.43,80.09 91.63,80.09 88.93,77.38 88.93,74.72 81.56,67.35 81.56,57.32 85.75,53.13 85.75,48.3 84.23,46.78 80.92,46.78 79.78,45.63 79.78,44.49 79.4,44.11 73.56,44.11 71.4,46.27
VDD_CPU_BIG1_S0 on L5-POWER2: 94.64,83.61 95.15,83.1 95.15,81.7 94.89,81.45 94.89,80.94 93.88,79.92 86,79.92 80.67,74.59 80.67,55.16 81.94,53.89 85.24,53.89 85.75,53.38 85.75,48.17 84.73,47.16 80.67,47.16 80.04,46.52 80.04,44.62 79.4,43.98 67.59,43.98 65.81,45.76 65.81,75.22 74.19,83.61
VDD_CPU_LIT_S0 on BOTTOM (solid shape): 96.16,87.04 96.16,86.4 96.1,86.34 96.1,86.19 96.02,85.98 96.1,85.77 96.1,85.6 95.94,85.29 96.16,85.04 96.16,84.37 95.94,84.15 95.61,84.32 95.36,84.03 95.17,83.98 95.04,83.83 94.99,83.83 94.89,83.97 94.72,84.03 94.51,84.24 94.51,84.37 94.64,84.5 94.64,84.55 94.67,84.68 94.64,84.81 94.62,84.85 94.59,84.89 94.59,85.12 94.67,85.33 94.59,85.54 94.59,85.77 94.67,85.98 94.59,86.19 94.59,86.86 94.89,87.16 96.04,87.16
VDD_CPU_LIT_S0 on TOP: 121.69,136.18 121.69,138.09 119.91,139.87 112.93,139.87 112.29,140.5 112.29,144.31 112.42,144.44 114.71,144.44 114.96,144.19 124.61,144.19 124.87,143.93 124.87,138.22 125.12,137.96 125.12,135.17 123.72,135.17 123.6,135.3 123.6,136.18
VDD_CPU_LIT_S0 on BOTTOM: 78.38,87.29 78.38,88.31 78.13,88.56 74.7,88.56 74.57,88.43 74.57,87.67 74.7,87.54 76.86,87.54 77.11,87.29 77.11,87.04 77.28,86.87 77.96,86.87
